# Altium PCB CU-ON-OFF-V2-08-11-18.PcbDoc (part 11 of 14) (continued)
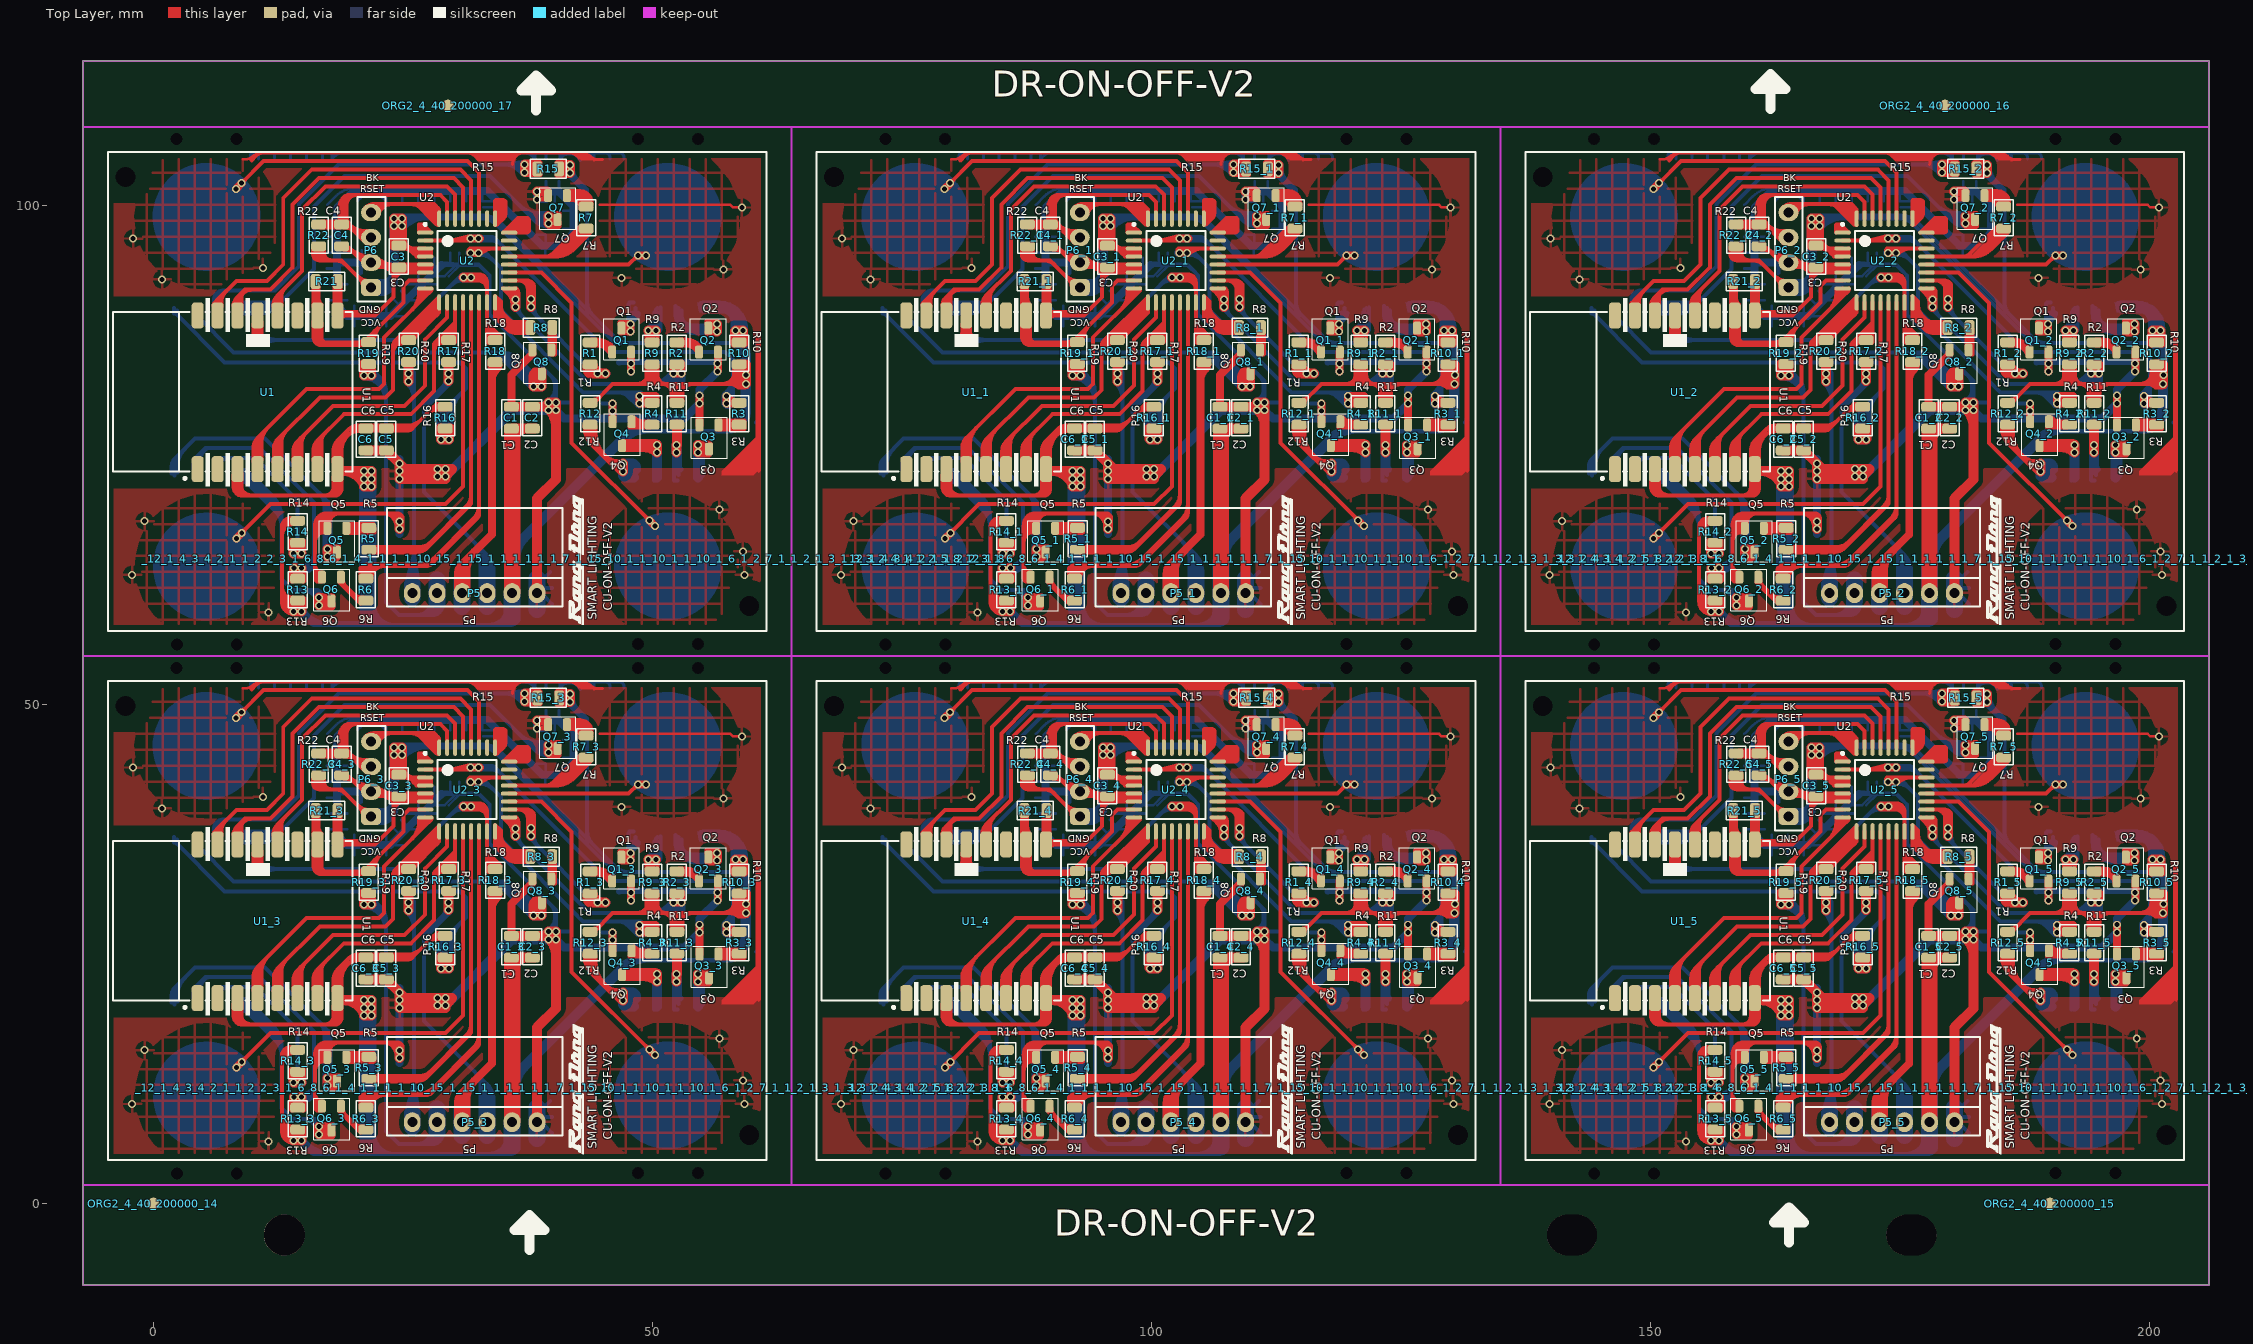
[diagram p0: Top Layer view]
## Nets (pads, with @x,y where several pads share a name; then routed paths per layer and width w, separated by ;. In a path a pad name is that pad's centre, name@x,y a point inside that pad or via, vN(x,y) a via of type N, cw(c..) or ccw(c..) an arc to the next point about the centre after c; other vN are vias at no path point) (continued)
cw(c125.75,75.965) 125.991,76.206 cw(c125.75,75.965) 126.091,75.965 126.091,72.931 ; 125.604,20.444 ccw(c125.092,20.956) 125.816,20.956 ccw(c126.54,20.956) 126.028,20.444 ; 125.604,73.443 ccw(c125.092,73.955) 125.816,73.955 ccw(c126.54,73.955) 126.028,73.443 ; 125.791,36.732 128.541,36.732 129.308,35.965 v1(129.308,34.475) ; 125.791,89.731 128.541,89.731 129.308,88.964 v1(129.308,87.474) ; 125.816,19.982 v1@125.816,22.767 ; 125.816,37.207 125.935,37.207 ccw(c125.935,37.463) 126.116,37.282 ccw(c126.176,37.342) 126.176,37.257 127.745,37.257 cw(c127.745,34.611) 129.616,36.482 cw(c127.805,34.671) 130.366,34.671 v1@130.366,34.507 ; 125.816,72.981 v1@125.816,75.766 ; 125.816,90.206 125.935,90.206 ccw(c125.935,90.462) 126.116,90.281 ccw(c126.176,90.341) 126.176,90.256 127.745,90.256 cw(c127.745,87.61) 129.616,89.481 cw(c127.805,87.67) 130.366,87.67 v1@130.366,87.506 ; 126.003,36.52 cw(c126.515,36.008) 126.515,36.732 cw(c126.515,37.456) 126.003,36.944 ; 126.003,89.519 cw(c126.515,89.007) 126.515,89.731 cw(c126.515,90.455) 126.003,89.943 ; 126.091,36.382 128.123,36.382 cw(c128.123,35.614) 128.666,36.157 cw(c127.761,35.252) 129.041,35.252 v1@129.041,34.532 ; 126.091,89.381 128.123,89.381 cw(c128.123,88.613) 128.666,89.156 cw(c127.761,88.251) 129.041,88.251 v1@129.041,87.531 ; v1@127.342,34.209 ccw(c127,33.867) 127,34.35 ccw(c127,34.833) v1@127.342,34.491 ; v1@127.342,87.208 ccw(c127,86.866) 127,87.349 ccw(c127,87.832) v1@127.342,87.49 ; v1@127.466,34.182 125.404,34.182 cw(c125.404,36.385) 123.846,34.827 ; v1@127.466,87.181 125.404,87.181 cw(c125.404,89.384) 123.846,87.826 ; v1(127.483,34.35) 124.998,34.35 ; v1(127.483,87.349) 124.998,87.349 ; v1@128.191,28.107 128.451,28.367 ccw(c126.986,29.832) 129.058,29.832 ; v1@128.191,81.106 128.451,81.366 ccw(c126.986,82.831) 129.058,82.831 ; v1@128.416,26.832 128.6,26.832 ccw(c128.6,27.173) 128.841,26.932 ccw(c128.317,27.456) 129.058,27.456 129.058,30.757 ; v1@128.416,79.831 128.6,79.831 ccw(c128.6,80.172) 128.841,79.931 ccw(c128.317,80.455) 129.058,80.455 129.058,83.756 ; v1(128.419,27.914) 129.058,28.552 129.058,31.55 128.281,32.327 116.596,32.327 105.248,43.675 ; v1@128.419,28.114 ccw(c128.419,28.596) 128.761,28.255 ; v1(128.419,80.913) 129.058,81.551 129.058,84.549 128.281,85.326 116.596,85.326 105.248,96.674 ; v1@128.419,81.113 ccw(c128.419,81.595) 128.761,81.254 ; 128.491,33.227 cw(c128.491,32.008) 129.353,32.87 129.645,32.578 cw(c128.748,31.682) 130.016,31.682 130.016,26.752 cw(c128.821,26.752) 129.666,25.907 128.639,24.88 cw(c127.316,26.203) 127.316,24.332 128.721,24.332 ccw(c128.721,25.527) 129.566,24.682 129.941,25.057 ; 128.491,86.226 cw(c128.491,85.007) 129.353,85.869 129.645,85.577 cw(c128.748,84.681) 130.016,84.681 130.016,79.751 cw(c128.821,79.751) 129.666,78.906 128.639,77.879 cw(c127.316,79.202) 127.316,77.331 128.721,77.331 ccw(c128.721,78.526) 129.566,77.681 129.941,78.056 ; v1@128.619,27.914 cw(c129.102,27.914) 128.761,28.255 ; v1@128.619,80.913 cw(c129.102,80.913) 128.761,81.254 ; 129.091,25.332 129.064,25.305 cw(c126.896,27.473) 126.896,24.407 118.841,24.407 ccw(c118.841,23.321) 118.073,24.089 117.691,23.707 ; 129.091,78.331 129.064,78.304 cw(c126.896,80.472) 126.896,77.406 118.841,77.406 ccw(c118.841,76.32) 118.073,77.088 117.691,76.706 ; v1@129.166,34.616 ccw(c128.825,34.958) 129.308,34.958 ccw(c129.791,34.958) v1@129.449,34.616 ; v1@129.166,87.615 ccw(c128.825,87.957) 129.308,87.957 ccw(c129.791,87.957) v1@129.449,87.615 ; 129.527,33.227 129.231,33.227 ; 129.527,86.226 129.231,86.226 ; v1@130.218,28.957 cw(c129.879,28.613) 130.362,28.617 cw(c130.845,28.621) v1@130.501,28.96 ; v1@130.218,81.956 cw(c129.879,81.612) 130.362,81.616 cw(c130.845,81.62) v1@130.501,81.959 ; v1@130.22,29.245 ccw(c129.888,29.596) 130.371,29.583 ccw(c130.854,29.57) v1@130.503,29.238 ; v1@130.22,82.244 ccw(c129.888,82.595) 130.371,82.582 ccw(c130.854,82.569) v1@130.503,82.237 ; v1@130.238,29.887 cw(c129.887,29.555) 130.37,29.542 cw(c130.853,29.529) v1@130.52,29.88 ; v1@130.238,82.886 cw(c129.887,82.554) 130.37,82.541 cw(c130.853,82.528) v1@130.52,82.879 ; v1@130.242,30.166 ccw(c129.9,30.508) 130.383,30.508 ccw(c130.866,30.508) v1@130.524,30.166 ; v1@130.242,83.165 ccw(c129.9,83.507) 130.383,83.507 ccw(c130.866,83.507) v1@130.524,83.165 ; 130.45,31.481 ccw(c128.567,31.481) 129.898,32.813 129.663,33.048 ccw(c129.231,32.616) 129.231,33.227 ; 130.45,84.48 ccw(c128.567,84.48) 129.898,85.812 129.663,86.047 ccw(c129.231,85.615) 129.231,86.226 ; 131.31,33.351 cw(c130.634,32.675) 131.59,32.675 131.59,26.301 131.59,25.69 cw(c130.941,25.69) 131.4,25.231 ; 131.31,86.35 cw(c130.634,85.674) 131.59,85.674 131.59,79.3 131.59,78.689 cw(c130.941,78.689) 131.4,78.23 ; 131.63,25.541 ccw(c131.606,25.565) 131.64,25.565 131.64,32.671 ; 131.63,32.811 131.63,32.695 ccw(c131.664,32.695) 131.64,32.671 ; 131.63,33.181 cw(c131.606,33.157) 131.64,33.157 131.64,32.671 ; 131.63,78.54 ccw(c131.606,78.564) 131.64,78.564 131.64,85.67 ; 131.63,85.81 131.63,85.694 ccw(c131.664,85.694) 131.64,85.67 ; 131.63,86.18 cw(c131.606,86.156) 131.64,86.156 131.64,85.67 ; 143.841,20.157 143.841,20.883 cw(c144.865,20.883) 144.141,21.607 ; 143.841,73.156 143.841,73.882 cw(c144.865,73.882) 144.141,74.606 ; 143.929,20.419 ccw(c143.417,20.931) 144.141,20.931 ccw(c144.865,20.931) 144.353,20.419 ; 143.929,73.418 ccw(c143.417,73.93) 144.141,73.93 ccw(c144.865,73.93) 144.353,73.418 ; 144.066,36.182 cw(c144.066,35.76) 144.365,36.058 ; 144.066,36.732 144.066,36.357 149.141,31.282 172.741,31.282 173.341,30.682 173.341,28.657 170.87,26.186 ; 144.066,89.181 cw(c144.066,88.759) 144.365,89.057 ; 144.066,89.731 144.066,89.356 149.141,84.281 172.741,84.281 173.341,83.681 173.341,81.656 170.87,79.185 ; 144.141,19.957 144.141,21.607 ; 144.141,72.956 144.141,74.606 ; 144.366,36.482 ccw(c145.392,36.482) 144.666,35.756 ; 144.366,89.481 ccw(c145.392,89.481) 144.666,88.755 ; 144.441,20.232 144.441,20.899 cw(c146.874,20.899) 145.153,22.62 ; 144.441,73.231 144.441,73.898 cw(c146.874,73.898) 145.153,75.619 ; 146.166,36.482 ccw(c146.951,36.482) 146.396,35.927 ; 146.166,89.481 ccw(c146.951,89.481) 146.396,88.926 ; 146.266,36.732 146.266,36.057 150.041,32.282 176.741,32.282 ; 146.266,89.731 146.266,89.056 150.041,85.281 176.741,85.281 ; 146.341,19.957 146.341,21.807 ; 146.341,72.956 146.341,74.806 ; 146.553,20.419 cw(c147.065,20.931) 146.341,20.931 cw(c145.617,20.931) 146.129,20.419 cw(c146.341,20.631) 146.041,20.631 146.041,21.083 cw(c147.065,21.083) 146.341,21.807 ; 146.553,73.418 cw(c147.065,73.93) 146.341,73.93 cw(c145.617,73.93) 146.129,73.418 cw(c146.341,73.63) 146.041,73.63 146.041,74.082 cw(c147.065,74.082) 146.341,74.806 ; 146.566,36.482 ccw(c148.316,36.482) 147.079,35.244 ; 146.566,89.481 ccw(c148.316,89.481) 147.079,88.243 ; 146.641,19.832 146.641,21.232 cw(c148.452,21.232) 147.171,22.513 cw(c147.641,22.043) 147.641,22.707 ; 146.641,72.831 146.641,74.231 cw(c148.452,74.231) 147.171,75.512 cw(c147.641,75.042) 147.641,75.706 ; 148.066,36.857 148.066,37.518 cw(c149.005,37.518) 148.341,38.182 cw(c149.065,37.458) 149.065,38.482 149.091,38.482 ; 148.066,89.856 148.066,90.517 cw(c149.005,90.517) 148.341,91.181 cw(c149.065,90.457) 149.065,91.481 149.091,91.481 ; 148.141,20.407 148.141,20.762 cw(c149.336,20.762) 148.491,21.607 cw(c148.732,21.366) 148.732,21.707 149.891,21.707 149.741,21.707 ; 148.141,73.406 148.141,73.761 cw(c149.336,73.761) 148.491,74.606 cw(c148.732,74.365) 148.732,74.706 149.891,74.706 149.741,74.706 ; 148.154,37.194 ccw(c147.642,37.706) 148.366,37.706 ccw(c149.09,37.706) 148.578,37.194 ; 148.154,90.193 ccw(c147.642,90.705) 148.366,90.705 ccw(c149.09,90.705) 148.578,90.193 ; 148.229,20.419 ccw(c147.717,20.931) 148.441,20.931 ccw(c149.165,20.931) 148.653,20.419 ; 148.229,73.418 ccw(c147.717,73.93) 148.441,73.93 ccw(c149.165,73.93) 148.653,73.418 ; 148.366,36.732 148.366,37.757 149.091,38.482 ; 148.366,89.731 148.366,90.756 149.091,91.481 ; 148.441,19.957 148.441,21.232 148.916,21.707 152.216,21.707 156.466,17.457 156.466,12.503 v1(156.833,12.137) ; 148.441,72.956 148.441,74.231 148.916,74.706 152.216,74.706 156.466,70.456 156.466,65.502 v1(156.833,65.136) ; 148.666,37.032 148.666,37.533 cw(c149.69,37.533) 148.966,38.257 cw(c149.509,37.714) 149.509,38.482 149.841,38.482 ; 148.666,90.031 148.666,90.532 cw(c149.69,90.532) 148.966,91.256 cw(c149.509,90.713) 149.509,91.481 149.841,91.481 ; 148.741,19.782 148.741,21.13 cw(c149.168,21.13) 148.866,21.432 cw(c149.53,20.768) 149.53,21.707 150.216,21.707 ; 148.741,72.781 148.741,74.129 cw(c149.168,74.129) 148.866,74.431 cw(c149.53,73.767) 149.53,74.706 150.216,74.706 ; 150.516,37.107 ccw(c150.757,37.348) 150.757,37.007 154.291,37.007 ; 150.516,90.106 ccw(c150.757,90.347) 150.757,90.006 154.291,90.006 ; 150.566,36.732 154.191,36.732 158.091,40.632 158.091,46.907 161.141,49.957 175.741,49.957 179.75,45.948 ; 150.566,89.731 154.191,89.731 158.091,93.631 158.091,99.906 161.141,102.956 175.741,102.956 179.75,98.947 ; 150.641,19.407 cw(c150.641,18.079) 151.58,19.018 ; 150.641,19.957 154.841,15.757 154.841,9.582 155.941,8.482 157.837,8.482 ; 150.641,72.406 cw(c150.641,71.078) 151.58,72.017 ; 150.641,72.956 154.841,68.756 154.841,62.581 155.941,61.481 157.837,61.481 ; 150.741,37.282 154.387,37.282 ccw(c154.387,38.136) 154.991,37.532 154.28,36.821 ; 150.741,90.281 154.387,90.281 ccw(c154.387,91.135) 154.991,90.531 154.28,89.82 ; 150.778,36.52 cw(c151.29,36.008) 151.29,36.732 cw(c151.29,37.456) 150.778,36.944 ; 150.778,89.519 cw(c151.29,89.007) 151.29,89.731 cw(c151.29,90.455) 150.778,89.943 ; 150.966,20.507 cw(c150.966,19.662) 151.563,20.26 153.943,17.88 cw(c151.775,15.712) 154.841,15.712 154.841,14.082 ; 150.966,73.506 cw(c150.966,72.661) 151.563,73.259 153.943,70.879 cw(c151.775,68.711) 154.841,68.711 154.841,67.081 ; v1@152.666,33.507 166.366,33.507 172.641,39.782 v1(173.066,39.782) ; v1@152.666,86.506 166.366,86.506 172.641,92.781 v1(173.066,92.781) ; v1@152.891,33.782 154.391,33.507 v1@152.991,33.257 ; v1@152.891,86.781 154.391,86.506 v1@152.991,86.256 ; v1@152.957,33.366 cw(c153.299,33.024) 153.299,33.507 cw(c153.299,33.99) v1@152.957,33.648 ; v1@152.957,86.365 cw(c153.299,86.023) 153.299,86.506 cw(c153.299,86.989) v1@152.957,86.647 ; 153.941,16.657 154.187,16.411 cw(c152.608,14.832) 154.841,14.832 ; 153.941,69.656 154.187,69.41 cw(c152.608,67.831) 154.841,67.831 ; v1@155.916,12.407 ccw(c154.588,13.735) 156.466,13.735 156.466,14.257 156.466,13.781 ccw(c158.514,13.781) v1@157.066,12.332 ; v1@155.916,65.406 ccw(c154.588,66.734) 156.466,66.734 156.466,67.256 156.466,66.78 ccw(c158.514,66.78) v1@157.066,65.331 ; v1@155.916,12.278 ccw(c154.59,13.605) 156.466,13.605 ; v1@155.916,65.277 ccw(c154.59,66.604) 156.466,66.604 ; v1@156.199,11.995 ccw(c155.555,12.639) 156.466,12.639 ; v1@156.199,64.994 ccw(c155.555,65.638) 156.466,65.638 ; 156.466,12.54 ccw(c157.236,12.54) v1@156.691,11.995 ; 156.466,13.505 ccw(c158.202,13.505) v1@156.974,12.278 ; 156.466,65.539 ccw(c157.236,65.539) v1@156.691,64.994 ; 156.466,66.504 ccw(c158.202,66.504) v1@156.974,65.277 ; 156.541,10.357 157.343,10.357 ccw(c157.343,10.955) 157.766,10.532 ccw(c156.921,11.377) 158.116,11.377 158.116,11.382 ; 156.541,63.356 157.343,63.356 ccw(c157.343,63.953) 157.766,63.531 ccw(c156.921,64.376) 158.116,64.376 158.116,64.381 ; v1@156.833,6.137 cw(c156.833,5.654) 157.174,5.995 cw(c157.516,6.337) v1@157.033,6.337 ; v1(156.833,6.337) 158.216,4.953 ; v1@156.833,59.136 cw(c156.833,58.653) 157.174,58.994 cw(c157.516,59.336) v1@157.033,59.336 ; v1(156.833,59.336) 158.216,57.952 ; v1@156.857,10.464 ccw(c156.86,11.278) 157.436,10.702 ; v1(156.858,10.664) 157.397,10.664 158.116,11.382 ; v1@156.857,63.463 ccw(c156.86,64.277) 157.436,63.701 ; v1(156.858,63.662) 157.397,63.662 158.116,64.381 ; v1@156.859,10.864 ccw(c156.864,12.634) 158.116,11.382 ; v1@156.859,63.862 ccw(c156.864,65.633) 158.116,64.381 ; v1@156.866,10.957 156.876,10.957 ccw(c156.876,12.261) 157.798,11.339 ccw(c157.03,12.107) 158.116,12.107 ; v1@156.866,63.956 156.876,63.956 ccw(c156.876,65.26) 157.798,64.338 ccw(c157.03,65.106) 158.116,65.106 ; 156.889,8.482 156.894,8.482 cw(c156.894,6.86) 158.041,8.007 cw(c157.377,7.343) 158.316,7.343 v1@158.316,6.907 ; 156.889,61.481 156.894,61.481 cw(c156.894,59.859) 158.041,61.006 cw(c157.377,60.342) 158.316,60.342 v1@158.316,59.906 ; v1@156.999,10.522 cw(c157.341,10.181) 157.341,10.664 cw(c157.341,11.146) v1@156.999,10.805 ; v1@156.999,63.521 cw(c157.341,63.18) 157.341,63.662 cw(c157.341,64.145) v1@156.999,63.804 ; 157.591,5.578 ccw(c156.435,4.423) 156.435,6.057 156.341,6.057 cw(c156.341,4.79) 157.237,5.686 157.795,5.128 ccw(c158.216,5.548) 158.216,4.953 ; 157.591,58.577 ccw(c156.435,57.422) 156.435,59.056 156.341,59.056 cw(c156.341,57.789) 157.237,58.685 157.795,58.127 ccw(c158.216,58.547) 158.216,57.952 ; v1@158.419,7.7 ccw(c157.937,7.7) 158.278,8.041 ccw(c158.619,8.383) 158.619,7.9 ccw(c158.062,7.9) 158.456,8.294 158.268,8.482 ; v1@158.419,60.699 ccw(c157.937,60.699) 158.278,61.04 ccw(c158.619,61.382) 158.619,60.899 ccw(c158.062,60.899) 158.456,61.293 158.268,61.481 ; v1(158.619,7.7) 157.837,8.482 ; v1(158.619,60.699) 157.837,61.481 ; 158.641,18.182 cw(c157.373,16.915) 159.166,16.915 159.166,12.307 ; 158.641,71.181 cw(c157.373,69.914) 159.166,69.914 159.166,65.306 ; v1@158.916,7.707 158.916,7.764 ccw(c158.148,7.764) 158.691,8.307 ccw(c158.268,7.885) 158.268,8.482 ; v1@158.916,60.706 158.916,60.763 ccw(c158.148,60.763) 158.691,61.306 ccw(c158.268,60.884) 158.268,61.481 ; v1@159.328,12.741 ccw(c158.987,13.083) 159.47,13.083 ccw(c159.953,13.083) v1@159.611,12.741 ; v1@159.328,65.74 ccw(c158.987,66.082) 159.47,66.082 ccw(c159.953,66.082) v1@159.611,65.74 ; v1@159.47,12.475 159.47,17.353 ; v1@159.47,65.474 159.47,70.352 ; 159.766,12.282 159.766,16.638 ccw(c158.755,16.638) 159.47,17.353 ; 159.766,65.281 159.766,69.637 ccw(c158.755,69.637) 159.47,70.352 ; 160.216,4.953 159.167,4.953 cw(c159.167,6.758) 157.891,5.482 157.24,6.133 cw(c157.538,6.432) 157.116,6.432 ccw(c157.237,6.432) 157.151,6.347 157.566,5.932 ccw(c159.437,7.803) 159.437,5.157 163.891,5.157 ; 160.216,57.952 159.167,57.952 cw(c159.167,59.757) 157.891,58.481 157.24,59.132 cw(c157.538,59.431) 157.116,59.431 ccw(c157.237,59.431) 157.151,59.346 157.566,58.931 ccw(c159.437,60.802) 159.437,58.156 163.891,58.156 ; v1@162.791,19.057 162.791,6.906 ccw(c164.839,6.906) 163.391,5.457 ccw(c164.607,6.673) 164.607,4.953 166.366,4.953 ; v1@162.791,72.056 162.791,59.905 ccw(c164.839,59.905) 163.391,58.456 ccw(c164.607,59.672) 164.607,57.952 166.366,57.952 ; v1@163.141,29.682 cw(c163.141,27.751) 164.507,29.116 164.566,29.057 cw(c162.755,27.246) 165.316,27.246 165.316,26.932 ; v1@163.141,82.681 cw(c163.141,80.75) 164.507,82.115 164.566,82.056 cw(c162.755,80.245) 165.316,80.245 165.316,79.931 ; v1@163.724,18.691 cw(c163.383,18.349) 163.866,18.349 cw(c164.349,18.349) v1@164.007,18.691 ; v1@163.724,71.69 cw(c163.383,71.348) 163.866,71.348 cw(c164.349,71.348) v1@164.007,71.69 ; 163.816,38.782 165.666,38.782 166.133,39.249 v1(166.133,44.925) ; 163.816,91.781 165.666,91.781 166.133,92.248 v1(166.133,97.924) ; v1(163.866,18.832) 163.866,6.253 165.166,4.953 ; v1(163.866,71.831) 163.866,59.252 165.166,57.952 ; v1@163.928,29.795 165.316,28.407 ; v1@163.928,82.794 165.316,81.406 ; v1@163.941,30.282 cw(c163.941,29.678) 164.368,30.105 164.786,29.687 cw(c163.505,28.407) 165.316,28.407 ; v1@163.941,83.281 cw(c163.941,82.677) 164.368,83.104 164.786,82.686 cw(c163.505,81.406) 165.316,81.406 ; 164.166,19.157 164.166,6.849 ccw(c165.958,6.849) 164.691,5.582 ccw(c166.209,7.1) 166.209,4.953 167.766,4.953 ; 164.166,72.156 164.166,59.848 ccw(c165.958,59.848) 164.691,58.581 ccw(c166.209,60.099) 166.209,57.952 167.766,57.952 ; 164.296,29.427 cw(c164.851,29.982) 164.066,29.982 164.939,29.109 cw(c164.512,28.682) 165.116,28.682 ; 164.296,82.426 cw(c164.851,82.981) 164.066,82.981 164.939,82.108 cw(c164.512,81.681) 165.116,81.681 ; 164.426,38.322 cw(c165.535,37.213) 165.535,38.782 cw(c165.535,40.351) 164.426,39.242 ; 164.426,91.321 cw(c165.535,90.212) 165.535,91.781 cw(c165.535,93.35) 164.426,92.241 ; v1@165.992,44.784 cw(c165.65,44.442) 166.133,44.442 cw(c166.616,44.442) v1@166.274,44.784 ; v1@165.992,97.783 cw(c165.65,97.441) 166.133,97.441 cw(c166.616,97.441) v1@166.274,97.783 ; v1@166.274,45.559 cw(c166.616,45.217) v1@166.616,45.7 ; v1@166.274,45.841 ccw(c166.616,46.183) v1@166.616,45.7 ; v1@166.274,98.558 cw(c166.616,98.216) v1@166.616,98.699 ; v1@166.274,98.84 ccw(c166.616,99.182) v1@166.616,98.699 ; v1@166.276,45.56 cw(c166.608,45.236) v1@166.608,45.7 ; v1@166.276,45.84 ccw(c166.608,46.164) v1@166.608,45.7 ; v1@166.276,98.559 cw(c166.608,98.235) v1@166.608,98.699 ; v1@166.276,98.839 ccw(c166.608,99.163) v1@166.608,98.699 ; 166.441,42.982 cw(c168.976,42.982) 167.183,44.774 167.211,44.802 cw(c169.379,42.634) 169.379,45.7 169.641,45.7 ; 166.441,95.981 cw(c168.976,95.981) 167.183,97.773 167.211,97.801 cw(c169.379,95.633) 169.379,98.699 169.641,98.699 ; 166.616,45.982 175.077,45.982 ; 166.616,98.981 175.077,98.981 ; 167.041,45.307 167.067,45.307 ccw(c167.067,46.649) 168.016,45.7 167.406,45.09 cw(c167.266,45.23) v1@167.266,45.032 ; 167.041,98.306 167.067,98.306 ccw(c167.067,99.648) 168.016,98.699 167.406,98.089 cw(c167.266,98.229) v1@167.266,98.031 ; v1@167.049,45.559 cw(c167.391,45.217) 167.391,45.7 cw(c167.391,46.183) v1@167.049,45.841 ; v1@167.049,98.558 cw(c167.391,98.216) 167.391,98.699 cw(c167.391,99.182) v1@167.049,98.84 ; 167.316,8.507 168.116,11.032 168.566,8.507 ; 167.316,61.506 168.116,64.031 168.566,61.506 ; 167.341,9.232 168.116,12.007 168.591,9.157 ; 167.341,62.231 168.116,65.006 168.591,62.156 ; v1@167.391,30.007 167.391,29.232 cw(c165.641,27.482) 168.116,27.482 168.116,27.407 168.116,30.186 ccw(c167.945,30.186) 168.066,30.307 ccw(c167.945,30.186) 167.945,30.357 v1@167.566,30.357 ; v1@167.391,83.006 167.391,82.231 cw(c165.641,80.481) 168.116,80.481 168.116,80.406 168.116,83.185 ccw(c167.945,83.185) 168.066,83.306 ccw(c167.945,83.185) 167.945,83.356 v1@167.566,83.356 ; v1@167.437,29.523 ccw(c167.096,29.865) 167.578,29.865 ccw(c168.061,29.865) v1@167.72,29.523 ; v1@167.437,30.016 cw(c167.096,29.674) 167.578,29.674 cw(c168.061,29.674) v1@167.72,30.016 ; v1@167.437,82.522 ccw(c167.096,82.864) 167.578,82.864 ccw(c168.061,82.864) v1@167.72,82.522 ; v1@167.437,83.015 cw(c167.096,82.673) 167.578,82.673 cw(c168.061,82.673) v1@167.72,83.015 ; v1@167.461,29.995 cw(c167.326,29.809) v1@167.548,29.75 ; v1@167.461,82.994 cw(c167.326,82.808) v1@167.548,82.749 ; 167.481,8.767 ccw(c165.949,10.299) 168.116,10.299 ; 167.481,61.766 ccw(c165.949,63.298) 168.116,63.298 ; v1@167.578,29.182 cw(c167.578,28.699) 167.92,29.041 cw(c168.261,29.382) v1@167.778,29.382 ; v1(167.578,30.157) v1(167.578,29.382) 168.116,28.844 168.116,8.332 ; v1@167.578,82.181 cw(c167.578,81.698) 167.92,82.04 cw(c168.261,82.381) v1@167.778,82.381 ; v1(167.578,83.156) v1(167.578,82.381) 168.116,81.843 168.116,61.331 ; v1@167.609,29.75 cw(c167.831,29.809) v1@167.696,29.995 ; v1@167.609,82.749 cw(c167.831,82.808) v1@167.696,82.994 ; 167.764,8.484 ccw(c166.915,9.333) 168.116,9.333 ; 167.764,61.483 ccw(c166.915,62.332) 168.116,62.332 ; 168.116,9.454 ccw(c169.088,9.454) 168.401,8.767 ; 168.116,62.453 ccw(c169.088,62.453) 168.401,61.766 ; 168.416,5.957 ccw(c168.416,7.466) 169.483,6.399 ccw(c168.739,7.143) 169.791,7.143 169.791,8.132 ; 168.416,58.956 ccw(c168.416,60.465) 169.483,59.398 ccw(c168.739,60.142) 169.791,60.142 169.791,61.131 ; 169.116,25.932 cw(c170.564,25.932) 169.54,26.956 171.579,28.995 ccw(c171.067,29.507) v1@171.791,29.507 ; 169.116,78.931 cw(c170.564,78.931) 169.54,79.955 171.579,81.994 ccw(c171.067,82.506) v1@171.791,82.506 ; 170.106,7.45 cw(c169.749,6.857) 170.441,6.857 ; 170.106,60.449 cw(c169.749,59.856) 170.441,59.856 ; 170.441,8.157 170.441,6.857 ; 170.441,61.156 170.441,59.856 ; v1@170.541,23.507 170.541,25.391 cw(c171.665,25.391) 170.87,26.186 ; v1@170.541,76.506 170.541,78.39 cw(c171.665,78.39) 170.87,79.185 ; v1@170.632,19.691 cw(c170.974,19.349) 170.974,19.832 cw(c170.974,20.315) v1@170.632,19.973 ; v1@170.632,72.69 cw(c170.974,72.348) 170.974,72.831 cw(c170.974,73.314) v1@170.632,72.972 ; v1@170.653,19.714 cw(c170.838,19.579) v1@170.898,19.801 ; v1@170.653,19.95 ccw(c170.838,20.085) v1@170.898,19.863 ; v1@170.653,72.713 cw(c170.838,72.578) v1@170.898,72.8 ; v1@170.653,72.949 ccw(c170.838,73.084) v1@170.898,72.862 ; v1@170.691,23.703 ccw(c170.259,24.135) 170.87,24.135 ; v1@170.691,76.702 ccw(c170.259,77.134) 170.87,77.134 ; 170.776,7.45 ccw(c171.133,6.857) 170.441,6.857 ; 170.776,60.449 ccw(c171.133,59.856) 170.441,59.856 ; v1@170.87,23.524 170.87,26.186 ; 170.87,26.157 170.87,26.186 ; v1@170.87,76.523 170.87,79.185 ; 170.87,79.156 170.87,79.185 ; 170.891,41.057 174.616,41.057 ; 170.891,94.056 174.616,94.056 ; 170.916,40.807 cw(c171.519,40.203) 171.519,41.057 174.616,41.057 ; 170.916,93.806 cw(c171.519,93.202) 171.519,94.056 174.616,94.056 ; 171.066,8.082 171.066,7.258 cw(c169.615,7.258) 170.641,6.232 cw(c169.977,6.896) 169.977,5.957 169.541,5.957 ; 171.066,61.081 171.066,60.257 cw(c169.615,60.257) 170.641,59.231 cw(c169.977,59.895) 169.977,58.956 169.541,58.956 ; v1@171.124,19.691 ccw(c170.783,19.349) 170.783,19.832 ccw(c170.783,20.315) 171.124,19.973 ccw(c170.783,20.315) 171.266,20.315 ccw(c171.749,20.315) v1@171.407,19.973 ; v1@171.124,20.466 cw(c170.783,20.124) 171.266,20.124 cw(c171.749,20.124) v1@171.407,20.466 ; v1@171.124,72.69 ccw(c170.783,72.348) 170.783,72.831 ccw(c170.783,73.314) 171.124,72.972 ccw(c170.783,73.314) 171.266,73.314 ccw(c171.749,73.314) v1@171.407,72.972 ; v1@171.124,73.465 cw(c170.783,73.123) 171.266,73.123 cw(c171.749,73.123) v1@171.407,73.465 ; v1@171.148,20.445 cw(c171.013,20.259) v1@171.235,20.2 ; v1@171.148,73.444 cw(c171.013,73.258) v1@171.235,73.199 ; v1(171.266,19.832) 171.941,20.607 ; v1(171.266,72.831) 171.941,73.606 ; v1@171.297,20.2 cw(c171.519,20.259) v1@171.384,20.445 ; v1@171.297,73.199 cw(c171.519,73.258) v1@171.384,73.444 ; v1@171.391,29.407 cw(c170.908,29.407) 171.249,29.066 ; v1@171.391,29.907 cw(c169.701,29.907) 170.896,28.712 170.466,28.282 171.249,29.066 ; v1@171.391,82.406 cw(c170.908,82.406) 171.249,82.065 ; v1@171.391,82.906 cw(c169.701,82.906) 170.896,81.711 170.466,81.281 171.249,82.065 ; v1@171.449,29.548 ccw(c171.108,29.89) 171.591,29.89 ccw(c172.074,29.89) v1@171.732,29.548 ; v1@171.449,30.041 cw(c171.108,29.699) 171.591,29.699 cw(c172.074,29.699) v1@171.732,30.041 ; v1@171.449,82.547 ccw(c171.108,82.889) 171.591,82.889 ccw(c172.074,82.889) v1@171.732,82.547 ; v1@171.449,83.04 cw(c171.108,82.698) 171.591,82.698 cw(c172.074,82.698) v1@171.732,83.04 ; v1@171.473,29.569 ccw(c171.338,29.755) v1@171.56,29.814 ; v1@171.473,82.568 ccw(c171.338,82.754) v1@171.56,82.813 ; v1(171.591,30.182) v1(171.591,29.407) 169.116,26.932 169.116,18.282 175.441,11.957 ; v1(171.591,83.181) v1(171.591,82.406) 169.116,79.931 169.116,71.281 175.441,64.956 ; v1@171.622,29.814 ccw(c171.844,29.755) v1@171.709,29.569 ; v1@171.622,82.813 ccw(c171.844,82.754) v1@171.709,82.568 ; v1@171.891,23.557 171.891,25.937 cw(c174.957,25.937) 172.789,28.105 172.841,28.157 ; v1@171.891,76.556 171.891,78.936 cw(c174.957,78.936) 172.789,81.104 172.841,81.156 ; 171.966,41.057 170.941,41.257 173.266,41.057 ; 171.966,94.056 170.941,94.256 173.266,94.056 ; 172.691,41.057 cw(c172.751,40.997) 172.751,41.082 174.516,41.082 cw(c174.516,40.901) 174.644,41.029 175.141,40.532 175.666,40.007 ; 172.691,94.056 cw(c172.751,93.996) 172.751,94.081 174.516,94.081 cw(c174.516,93.9) 174.644,94.028 175.141,93.531 175.666,93.006 ; v1@173.016,40.082 ccw(c173.016,39.901) 172.888,40.029 171.916,39.057 cw(c172.942,38.031) 172.942,39.482 v1@173.241,39.482 ; v1@173.016,93.081 ccw(c173.016,92.9) 172.888,93.028 171.916,92.056 cw(c172.942,91.03) 172.942,92.481 v1@173.241,92.481 ; v1(173.791,42.247) 175.301,42.247 176.816,40.732 176.816,36.507 185.048,28.275 190.333,28.275 v1(190.694,27.914) ; v1(173.791,95.246) 175.301,95.246 176.816,93.731 176.816,89.506 185.048,81.274 190.333,81.274 v1(190.694,80.913) ; v1(173.798,43.675) 176.248,43.675 ; v1(173.798,96.674) 176.248,96.674 ; v1@173.932,42.106 cw(c174.274,41.764) 174.274,42.247 cw(c174.274,42.73) v1@173.932,42.388 ; v1@173.932,95.105 cw(c174.274,94.763) 174.274,95.246 cw(c174.274,95.729) v1@173.932,95.387 ; v1@173.939,43.534 cw(c174.281,43.192) 174.281,43.675 cw(c174.281,44.158) v1@173.939,43.816 ; v1@173.939,96.533 cw(c174.281,96.191) 174.281,96.674 cw(c174.281,97.157) v1@173.939,96.815 ; v1@174.159,42.216 cw(c174.218,41.994) v1@174.404,42.129 ; v1@174.159,42.278 ccw(c174.218,42.5) v1@174.404,42.365 ; v1@174.159,95.215 cw(c174.218,94.993) v1@174.404,95.128 ; v1@174.159,95.277 ccw(c174.218,95.499) v1@174.404,95.364 ; v1@174.166,43.644 cw(c174.225,43.422) v1@174.411,43.557 ; v1@174.166,43.706 ccw(c174.225,43.928) v1@174.411,43.793 ; v1@174.166,96.643 cw(c174.225,96.421) v1@174.411,96.556 ; v1@174.166,96.705 ccw(c174.225,96.927) v1@174.411,96.792 ; 174.166,13.232 cw(c172.657,11.723) 174.791,11.723 174.791,7.982 ; 174.166,66.231 cw(c172.657,64.722) 174.791,64.722 174.791,60.981 ; 174.216,43.482 175.769,43.482 cw(c175.769,41.86) 176.916,43.007 ; 174.216,96.481 175.769,96.481 cw(c175.769,94.859) 176.916,96.006 ; v1@174.241,42.057 174.748,42.057 cw(c174.748,40.265) 176.016,41.532 ; v1@174.241,95.056 174.748,95.056 cw(c174.748,93.264) 176.016,94.531 ; 174.291,4.953 175.473,4.953 ccw(c175.473,7.1) 176.991,5.582 ccw(c176.267,6.306) 177.291,6.306 177.291,8.107 ; 174.291,57.952 175.473,57.952 ccw(c175.473,60.099) 176.991,58.581 ccw(c176.267,59.305) 177.291,59.305 177.291,61.106 ; v1@174.424,42.106 ccw(c174.083,41.764) 174.083,42.247 ccw(c174.083,42.73) v1@174.424,42.388 ; v1@174.424,95.105 ccw(c174.083,94.763) 174.083,95.246 ccw(c174.083,95.729) v1@174.424,95.387 ; v1@174.431,43.534 ccw(c174.09,43.192) 174.09,43.675 ccw(c174.09,44.158) v1@174.431,43.816 ; v1@174.431,96.533 ccw(c174.09,96.191) 174.09,96.674 ccw(c174.09,97.157) v1@174.431,96.815 ; v1@174.441,43.857 175.808,43.857 cw(c175.808,43.236) 176.248,43.675 ; v1@174.441,96.856 175.808,96.856 cw(c175.808,96.235) 176.248,96.674 ; v1@174.541,42.457 cw(c174.541,41.129) 175.48,42.068 175.741,41.807 ; v1@174.541,95.456 cw(c174.541,94.128) 175.48,95.067 175.741,94.806 ; v1@174.707,42.106 cw(c175.049,41.764) 175.049,42.247 cw(c175.049,42.73) v1@174.707,42.388 ; v1@174.707,95.105 cw(c175.049,94.763) 175.049,95.246 cw(c175.049,95.729) v1@174.707,95.387 ; v1@174.714,43.534 cw(c175.056,43.192) 175.056,43.675 cw(c175.056,44.158) v1@174.714,43.816 ; v1@174.714,96.533 cw(c175.056,96.191) 175.056,96.674 cw(c175.056,97.157) v1@174.714,96.815 ; 174.841,45.7 cw(c174.841,43.486) 176.406,45.052 177.491,43.967 ; 174.841,98.699 cw(c174.841,96.485) 176.406,98.051 177.491,96.966 ; 174.981,8.767 ccw(c173.872,9.876) 175.441,9.876 ccw(c177.01,9.876) 175.901,8.767 ; 174.981,61.766 ccw(c173.872,62.875) 175.441,62.875 ccw(c177.01,62.875) 175.901,61.766 ; 175.091,12.282 cw(c174.91,12.101) 175.166,12.101 175.166,8.757 ; 175.091,65.281 cw(c174.91,65.1) 175.166,65.1 175.166,61.756 ; 175.316,32.282 cw(c175.316,29.928) 176.98,31.593 v1@179.916,28.657 ; 175.316,85.281 cw(c175.316,82.927) 176.98,84.592 v1@179.916,81.656 ; 175.441,8.157 175.441,11.957 ; 175.441,61.156 175.441,64.956 ; 175.616,11.507 cw(c175.254,11.145) 175.766,11.145 175.766,8.582 ; 175.616,64.506 cw(c175.254,64.144) 175.766,64.144 175.766,61.581 ; 176.091,8.282 176.091,10.388 ccw(c173.872,10.388) 175.441,11.957 ; 176.091,61.281 176.091,63.387 ccw(c173.872,63.387) 175.441,64.956 ; 177.316,7.182 177.316,10.548 ; 177.316,60.181 177.316,63.547 ; 177.481,7.547 cw(c176.372,6.438) 177.941,6.438 cw(c179.51,6.438) 178.401,7.547 ; 177.481,8.767 ccw(c176.372,9.876) 177.941,9.876 ccw(c179.51,9.876) 178.401,8.767 ; 177.481,60.546 cw(c176.372,59.437) 177.941,59.437 cw(c179.51,59.437) 178.401,60.546 ; 177.481,61.766 ccw(c176.372,62.875) 177.941,62.875 ccw(c179.51,62.875) 178.401,61.766 ; 177.516,11.757 cw(c178.361,11.757) 177.763,12.355 189.453,24.044 cw(c189.666,23.83) 189.666,24.132 ; 177.516,64.756 cw(c178.361,64.756) 177.763,65.353 189.453,77.043 cw(c189.666,76.829) 189.666,77.131